# Altium PCB as_x31.PcbDoc (part 3 of 6) (continued)
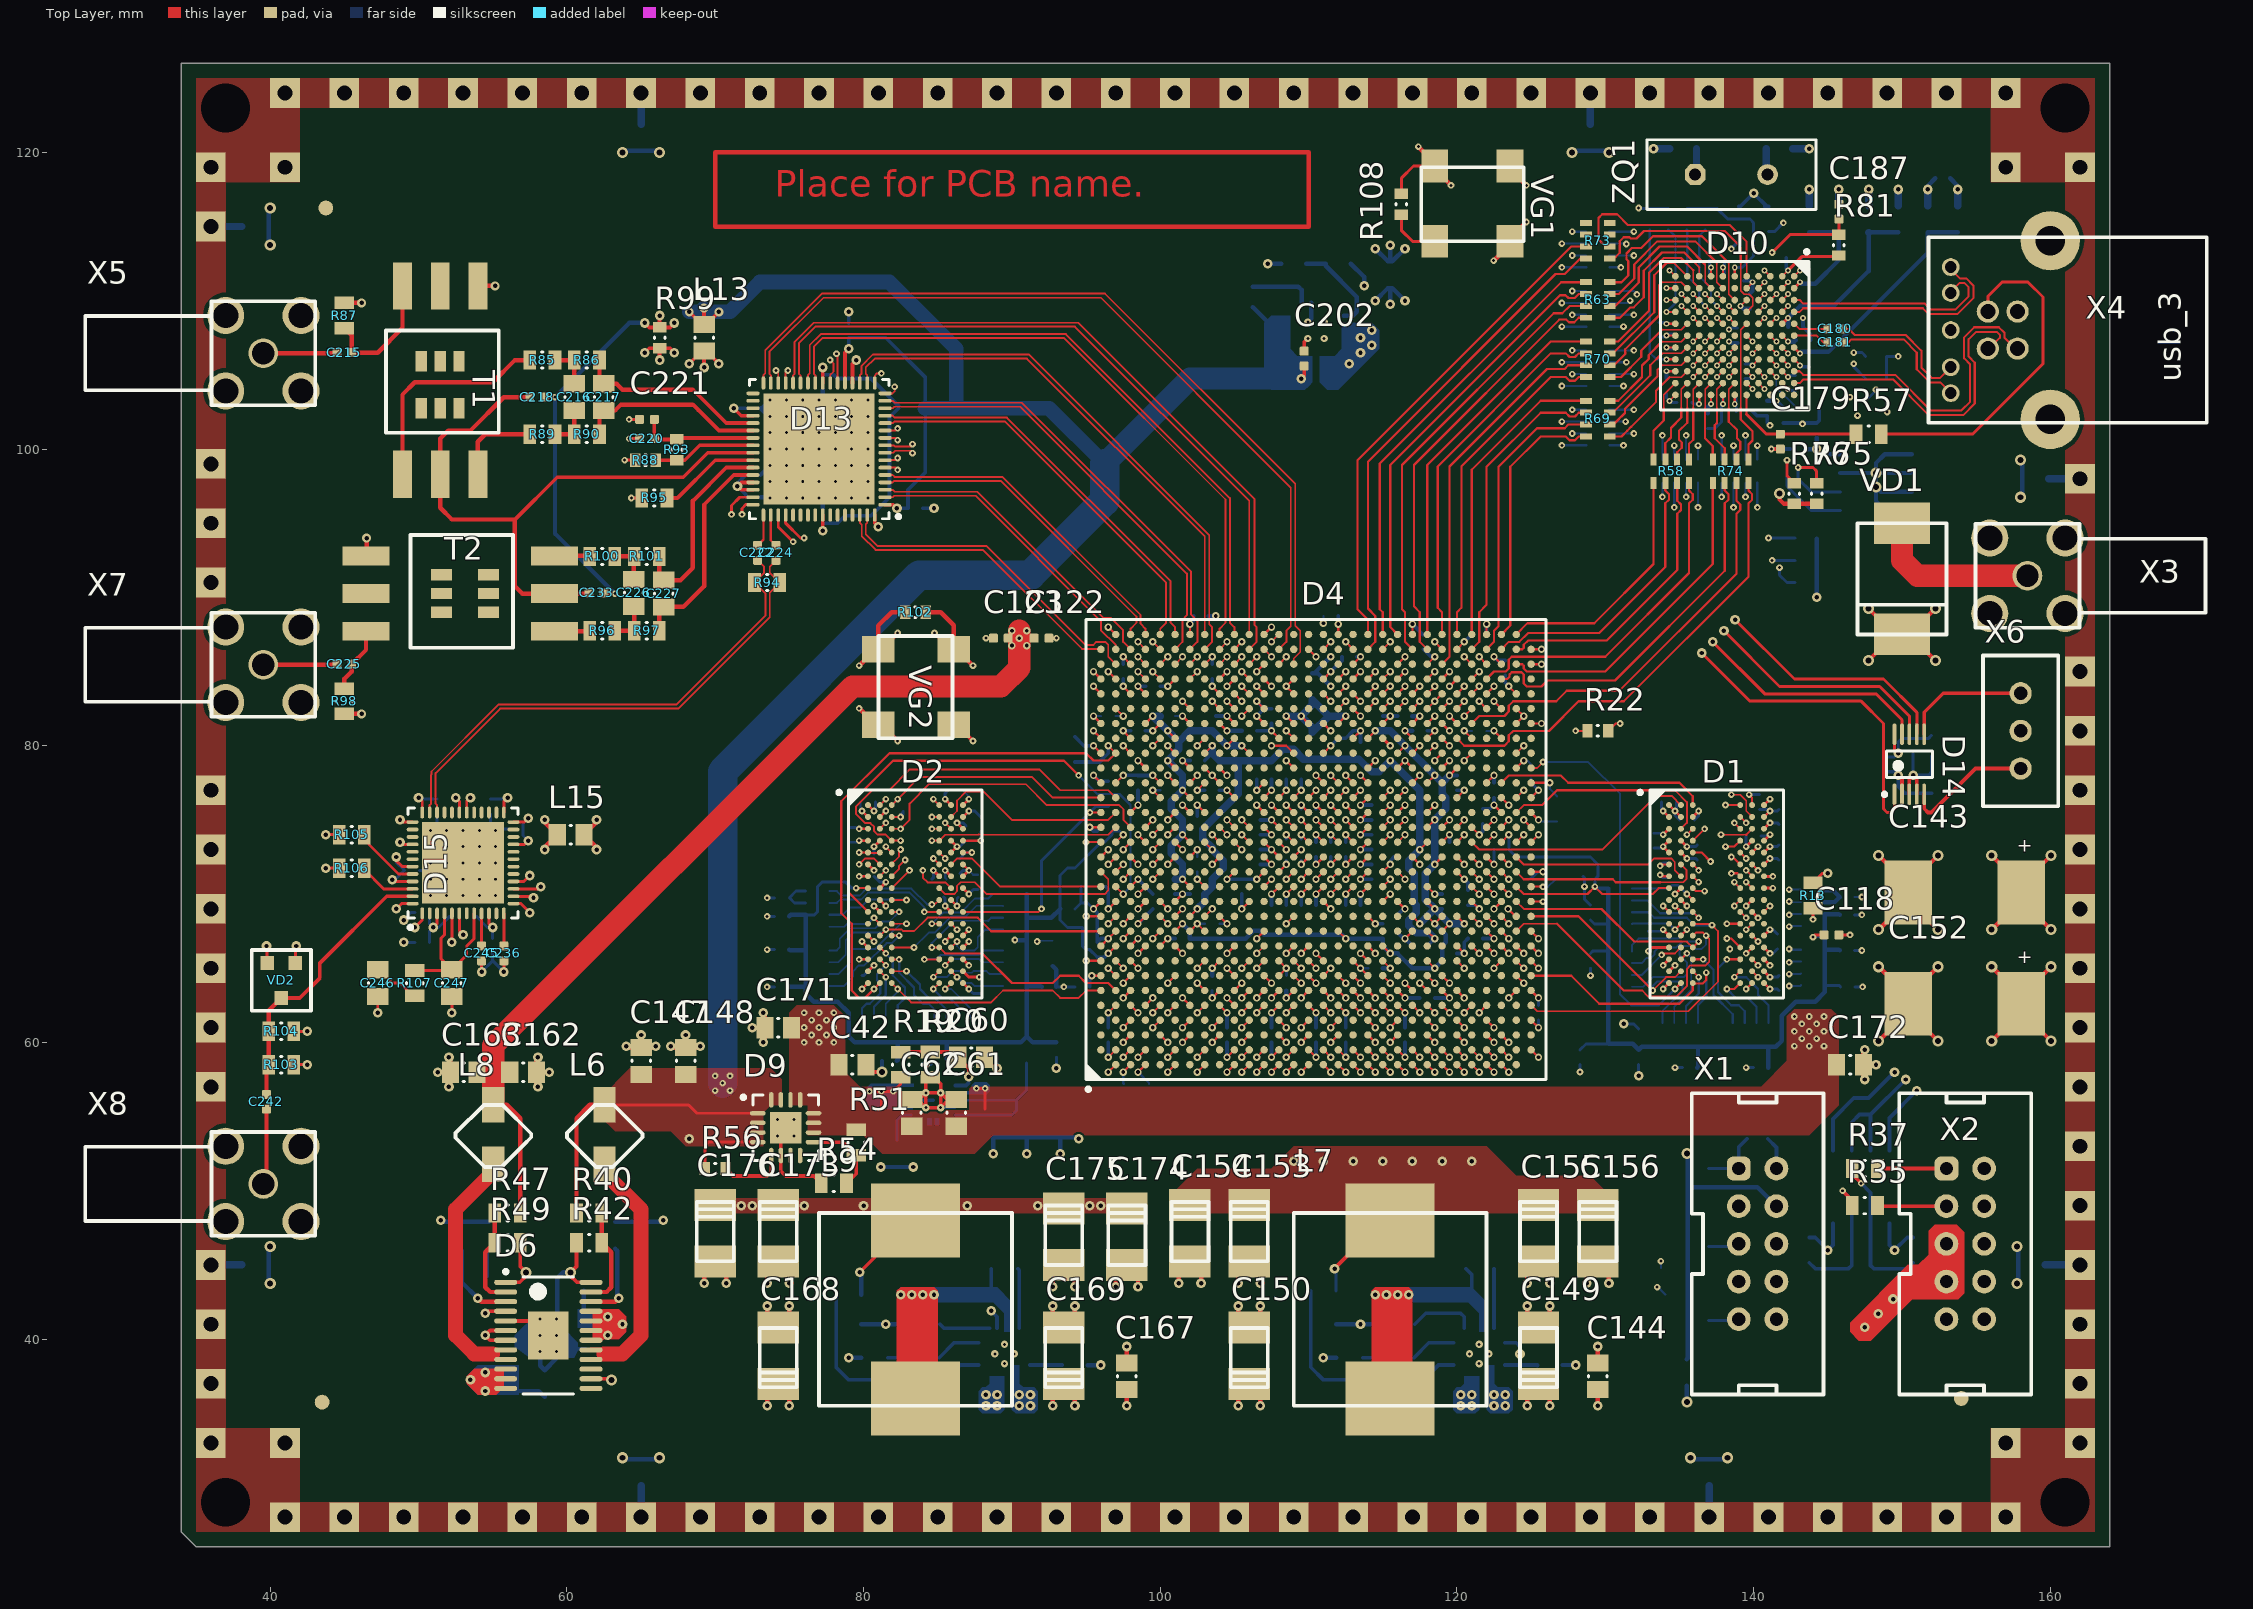
[diagram p0: Top Layer view]
## Nets (pads, with @x,y where several pads share a name; then routed paths per layer and width w, separated by ;. In a path a pad name is that pad's centre, name@x,y a point inside that pad or via, vN(x,y) a via of type N, cw(c..) or ccw(c..) an arc to the next point about the centre after c; other vN are vias at no path point) (continued)
  Bottom Layer w0.15: C32.1@79.1,73.5 79.6,73.5 v2(79.7,73.6) ; C33.1@79.8,76.2 79.8,75.7 v2(79.9,75.6) ; v2(85.5,71.6) 85.5,71.1 C37.1@85.6,71 ; v2(86.3,69.2) 86.3,69.7 C36.1@86.4,69.8 ; v2(86.3,73.2) 86.5,73.2 C38.1@86.9,73.6 ; C249.1@86.7,77 87.1,76.6 v2(87.1,76.4) ; v2(87.1,71.6) 87.4,71.3 C35.1@87.7,71.3 ; v1(95.5,82) C136.1@96,82 ; v1(98.5,58) 99.25,57.25 R39.2@99.25,57.2 ; v1(99.5,77) C131.1@100,77 ; C139.1@101,82 v1(101.5,82) ; C137.1@104,68 v1(104.5,68) ; v1(111,88.25) C101.1@111,88.75 ; v1(124.5,79) 124.75,79 C252.1@125,78.75 ; v1(126.25,77.5) 126.25,77.1 R15.1@126.75,76.6 ; C49.1@132.9,67.5 133.8,67.5 v2(133.9,67.6) ; C1.1@146.8,69.8 v2(147.3,69.8) ; v2(82.5,75.2) 82.7,75.4 C31.1@82.7,75.6 82.5,75.4 v2(82.5,75.2) ; C135.1@102.5,72.5 v1(102.5,73) C135.1@102.5,72.5 ; v1(120.5,81) C116.1@121,81 v1(120.5,81)
  Bottom Layer w0.2: v3(49,66.75) C243.1@49.75,66.75 ; v3(49,68.25) 49.5,68.75 C244.1@49.75,68.75 ; C239.1@50.05,71.6 C239.1@50.2,71.6 ; v4(50.8,71) C239.1@50.2,71.6 ; v4(50.8,72.1) 50.3,71.6 C239.1@50.2,71.6 ; v4(50.8,74.3) 51.25,74.75 C238.1@51.25,75.4 ; v3(54.25,64.75) 55,65.5 ; C237.1@54.85,75.4 54.85,74.65 v4(55.2,74.3) 55.3,74.4 C241.1@56.05,74.4 ; C240.1@55,66 55,65.5 ; v3(55.75,64.75) 55,65.5 ; v2(73.5,63.75) C17.1@74,63.75 ; v2(73.5,66.25) C6.2@74,66.25 ; v2(73.5,68.5) C4.2@74,68.5 ; v2(73.5,69.75) C2.1@74,69.75 ; v2(84.25,58.5) 84.5,58.5 C10.2@84.75,58.75 ; v4(85.2,55.6) D3.4@86.175,55.6 ; C53.1@86.5,71.4 86.7,71.6 v2(87.1,71.6) ; v2(87.1,63.6) 87.4,63.3 C59.1@87.9,63.3 ; v2(87.1,75.6) 87.5,75.6 C54.1@87.9,75.2 ; v3(89,58.25) C22.1@89,59 ; v3(93,58.25) C18.1@93,59 ; C12.2@93,63.75 v2(93.5,63.75) C138.1@94.25,63.75 ; C14.2@94.25,69 94.65,69.4 ; R23.2@94.65,70.5 94.65,69.4 ; v1(95.5,69) 95.1,69.4 94.65,69.4 ; v1(103.5,63) C71.1@103.5,63.5 ; C70.1@108.5,64.5 v1(108.5,65) ; v1(113.5,65) C74.1@114,65 ; v1(122.5,72) C19.1@122.5,73 ; R24.2@124.95,71 125.45,71.5 v1(125.8,71.5) ; C114.1@125.5,62.5 v1(125.5,63) ; v2(128.3,58) C15.1@128.3,58.5 ; C11.2@128.5,71.2 128.6,71.1 v2(128.6,70.5) 128.6,69.65 C119.1@129,69.25 ; v2(129,64.5) C13.2@129,65 ; v3(132.25,57.75) C20.1@132.25,58.5 ; v2(132.25,116.25) 132.3,116.2 R80.2@133,116.2 R79.2@134.25,116.2 ; C29.1@133.3,73.1 133.8,73.1 v2(133.9,73.2) ; C192.1@133.629,107.546 134.029,107.546 v5(134.129,107.646) 134.229,107.746 C200.1@134.629,107.746 ; v2(133.7,71.3) 133.9,71.1 C23.1@134.3,71.1 ; C248.1@133.8,76.2 133.8,75.7 v2(133.9,75.6) ; C204.1@134.129,103.746 134.129,103.446 v5(134.329,103.246) 134.429,103.146 C198.1@134.829,103.146 ; v2(134.7,58.3) C9.2@135.2,58.3 ; v2(135.5,72.4) 136.1,72.4 C28.1@136.2,72.3 ; C47.1@136,75 136.3,75.3 v2(136.3,75.6) ; C207.1@136.9,101.4 137.4,101.4 137.829,101.829 C194.1@137.829,102.546 137.829,102.946 v5(137.929,103.046) 137.929,103.446 C199.1@137.829,103.546 ; C201.1@138.029,111.746 138.029,112.146 v5(137.929,112.246) 138.029,112.346 C193.1@138.029,112.746 ; v5(138.329,108.046) 138.429,108.146 C203.1@138.929,108.146 ; C196.1@139.429,105.746 139.829,105.746 v5(139.929,105.646) ; v2(139.5,58.3) C7.2@140,58.3 ; v2(139.5,73.2) C26.1@139.5,73.9 ; C30.1@140.4,75.7 141,75.7 v2(141.1,75.6) 141.6,75.6 C27.1@141.7,75.7 ; v2(141.1,63.6) 141.6,63.6 C51.1@141.7,63.5 ; v2(141.1,67.6) 141.3,67.6 C50.1@141.6,67.3 ; v2(141.1,72.4) 141.6,72.4 C25.1@141.7,72.3 ; v5(142.329,104.846) 142.429,104.946 C197.1@142.829,104.946 ; C5.2@146.8,66.2 v2(147.3,66.2) ; C3.2@146.8,68.6 v2(147.3,68.6) ; C16.1@146.85,63.75 v2(147.35,63.75) ; R61.1@148.95,104.75 R59.1@148.95,106.25 v2(149.75,106.25) ; C223.1@149,79.25 149.5,79.25 v3(149.75,79.5) 149.75,80.25 150,80.5 151.8,80.5 R92.2@152,80.7
  Bottom Layer w0.25: C160.1@56.25,39.9 57.85,39.9 v4(58.2,40.25) ; v4(59.3,39.15) 59.5,39.35 C159.1@61.25,39.35 ; C235.1@79,108.5 v3(79,109.25) ; v6(81.25,58) C8.2@81.25,58.75 ; D3.8@83.225,56.1 D3.11@84.7,56.1 ; C234.1@84,96 v3(84.75,96) ; v1(95.25,74.5) 95.5,74.25 C120.1@95.75,74.25 ; v1(95.5,69) 95.75,68.75 C121.1@95.75,67.75 C21.1@95.75,66.75 96,67 v1(96.5,67) ; v1(95.5,78) 95.9,77.6 R16.1@96.5,77.6 ; v1(96.5,59) C124.1@96.5,60 ; v1(97.5,78) C125.1@98.5,78 v1(99.5,78) ; v1(97.5,81) C126.1@98,81 ; v1(97.5,84) C142.1@97.5,84.5 ; v1(98.5,71) C127.1@99.5,70 ; v1(98.5,84) C141.1@99,84 ; v1(100.5,67) C95.1@101,67 ; C103.1@101,70 v1(101.5,70) C82.1@102,70 ; v1(101.5,79) C86.1@102,79 ; C132.1@102.5,75.25 v1(102.5,76) ; v1(102.5,77) C130.1@103,77 ; C100.1@103.25,88.75 v1(103.75,88.75) ; C140.1@103.5,85.5 v1(103.5,86) ; C133.1@103.75,82 v1(104.5,82) ; v1(104.5,59) C63.1@104.5,60 ; v1(104.5,71) C129.1@105.5,71 ; C129.1@105.5,71 v1(106.5,71) ; v1(106.5,77) C65.1@106.5,77.75 ; C73.1@106.5,81 v1(107.5,81) C99.1@107.5,81.5 ; C78.1@106.75,73 v1(107.5,73) ; C89.1@106.75,75 v1(107.5,75) ; v1(107.5,59) C75.1@107.5,60 ; C66.1@107.5,69.25 v1(107.5,70) ; C91.1@108.5,73.75 v1(108.5,74) ; v1(108.5,77) C77.1@108.5,77.75 ; C67.1@109.5,69.25 v1(109.5,70) ; v1(109.5,72) C92.1@109.5,72.25 ; v4(109.95,108.55) D12.17@110.175,108.775 ; v1(110.5,59) C64.1@110.5,60 ; C69.1@110.5,73.5 v1(110.5,74) ; C79.1@110.5,75.75 v1(110.5,76) ; v1(111.5,72) C81.1@111.5,72.5 ; v1(111.5,80) 112,80.5 C98.1@112.5,80.5 113,81 v1(113.5,81) ; v1(112.5,59) C94.1@112.5,60 ; C87.1@112.5,73.5 v1(112.5,74) ; C134.1@113.25,86 v1(113.5,86) ; C68.1@113.5,69.25 v1(113.5,70) ; v1(113.5,72) C80.1@114.25,72 ; v1(113.5,74) C88.1@114.25,74 ; v1(113.5,76) C90.1@114.25,76 ; C85.1@113.5,80.25 v1(113.5,81) ; v1(114.5,68) C110.1@115,68 ; C105.1@115,82 v1(115.5,82) C96.1@116,82 ; v1(115.5,72) 115.5,72.25 C84.1@115.75,72.5 ; C250.1@115.9,67.5 116.4,67 v1(116.5,67) C83.1@117,66.5 ; v1(116.5,59) C76.1@116.5,60 ; v1(116.5,63) C93.1@117.5,63 ; v1(117,88.2) 117.7,87.5 C97.1@117.75,87.5 ; C72.1@118,81 v1(118.5,81) ; v1(118.5,70) C108.1@119,70 ; C107.1@119.5,73.5 v1(119.5,74) ; C109.1@120,66 v1(120.5,66) 120.5,66.75 C113.1@120.75,67 ; C106.1@120,77 v1(120.5,77) ; v1(120.5,87) C104.1@121,87.5 ; C111.1@120.75,69.25 121.25,69.25 v1(121.5,69) ; C112.1@121.75,75.75 122.25,75.75 v1(122.5,76) C115.1@122.5,76.5 ; v1(122.5,86) 122.75,85.75 C117.1@123.25,85.75 ; R45.2@127.1,38.25 v3(128,38.25) ; R109.2@139,116.35 139.1,116.35 v3(140,117.25) 140.9,116.35 R68.2@141,116.35 ; C205.1@139.329,111.346 139.829,111.346 v5(139.929,111.246) 139.929,110.646 C206.1@139.729,110.446 ; C214.1@139.929,102.546 140.229,102.246 C211.1@140.929,102.246 140.929,101.771 v2(141.1,101.6) ; R33.1@140.95,53.5 141.54,52.91 X1.2@141.54,51.5 ; v2(141.2,100) C209.1@142.5,100 ; C210.1@142,101.75 143.25,101.75 v2(143.3,101.7) 143.35,101.75 C212.1@144.25,101.75 144.429,101.929 R60.2@144.429,102.846 ; v5(143.129,105.646) 143.229,105.546 C190.1@143.729,105.546 ; C208.1@143.2,112.9 143.129,112.829 v5(143.129,112.046) 143.229,112.146 C185.1@143.729,112.146 ; C188.1@143.329,108.246 143.829,107.746 C213.1@143.829,107.346 ; D5.5@149.155,47.8 149.155,46.345 v3(149.5,46) 150.35,46.85 R38.1@150.75,46.85
  Bottom Layer w0.3: v6(40,43.75) 39.9,43.85 L23.1@39.9,45 39.9,46.15 v6(40,46.25) ; v6(40,113.75) 39.9,113.85 L24.1@39.9,115 39.9,116.15 v6(40,116.25) ; v3(51.5,48) 51.6,47.9 C165.1@52.75,47.9 C164.1@54.75,47.9 ; v4(58.2,39.15) 58.2,38.2 C145.1@58.5,37.9 59.3,38.7 v4(59.3,39.15) ; v4(59.3,41.35) 59.35,41.4 C146.1@59.35,43.25 59.35,44.1 59.75,44.5 v6(60.25,44.5) ; C158.1@63.25,47.9 C157.1@65.25,47.9 66.4,47.9 v3(66.5,48) ; v2(63.25,90.25) 59.2,94.3 v2(59.2,103.5) 64.2,108.5 v3(65.25,108.5) ; v6(63.75,32) 63.85,31.9 L22.1@65,31.9 66.15,31.9 v6(66.25,32) ; v6(63.75,120) 63.85,120.1 L17.1@65,120.1 66.15,120.1 v6(66.25,120) ; v3(79,38.75) C178.1@79.85,38.75 ; R52.1@79.85,41 v3(81.5,41) C177.1@83.35,41 ; v3(81.15,51.6) C43.1@82.25,51.6 v3(83.35,51.6) ; v3(88.75,52.5) C39.1@88.75,53.6 C40.1@91,53.6 ; v3(91,52.5) C40.1@91,53.6 ; R14.2@92.75,65.15 93,64.9 C12.2@93,63.75 ; v3(93.25,52.5) C41.1@93.25,53.6 ; v3(94.5,53.5) 94.4,53.6 C41.1@93.25,53.6 ; R53.2@95.1,38.25 v3(96,38.25) ; v3(107.25,112.5) R83.1@108.15,112.5 ; D12.17@110.175,108.775 D12.6@110.175,109.875 ; v3(111,38.75) C166.1@111.85,38.75 ; R44.1@111.85,41 v3(113.5,41) ; v3(113.5,41) C161.1@115.35,41 ; v3(114.5,113.5) 115.35,112.65 C184.1@115.5,112.65 ; v3(115.5,113.75) C184.1@115.5,112.65 ; v3(116.5,113.5) 115.65,112.65 C184.1@115.5,112.65 ; v6(127.75,120) 127.85,120.1 L18.1@129,120.1 130.15,120.1 v6(130.25,120) ; v6(135.75,32) 135.85,31.9 L21.1@137,31.9 138.15,31.9 v6(138.25,32) ; C188.1@143.329,108.246 v5(143.329,108.846) ; D11.7@145.85,98.385 v6(148.25,98.385) ; D11.4@150.65,95.845 148.905,95.845 148.25,96.5 v6(148.25,97.443) ; D11.3@150.65,97.115 148.578,97.115 v6(148.25,97.443) ; D11.2@150.65,98.385 v6(148.25,98.385) ; D11.1@150.65,99.655 148.845,99.655 148.25,99.06 v6(148.25,98.385) ; C195.1@153.25,118.25 153.75,117.75 v3(153.75,117.5) ; v6(157.75,43.75) 157.85,43.85 L20.1@157.85,45 157.85,46.15 v6(157.75,46.25) ; v6(158,96.75) 158.1,96.85 L19.1@158.1,98 158.1,99.15 v6(158,99.25) ; C40.1@91,53.6 C41.1@93.25,53.6 ; v6(148.25,97.443) v6(148.25,98.385)
  Bottom Layer w0.5: v3(133.25,120.25) C182.1@134.35,120.25 ; C183.1@142.65,120.25 v3(143.75,120.25) ; C186.1@145.75,116.4 v3(145.75,117.5) ; C189.1@149.75,116.4 v3(149.75,117.5) ; C191.1@153.75,116.4 v3(153.75,117.5)
  other v2: 79.7,71.2
  other v3: 90.5,35.5 91.25,35.5 122.5,35.5 123.25,35.5 90.5,36.25 91.25,36.25 122.5,36.25 123.25,36.25
  other v4: 89.5,38.35 121.5,38.35 88.85,39 90.15,39 120.85,39 122.15,39 89.5,39.65 121.5,39.65 59.3,40.25 58.2,41.35 74.2,53.7 75.3,53.7 74.2,54.8 75.3,54.8 50.8,69.9 51.9,69.9 53,69.9 54.1,69.9 55.2,69.9 51.9,71 53,71 54.1,71 55.2,71 51.9,72.1 53,72.1 54.1,72.1 55.2,72.1 50.8,73.2 51.9,73.2 53,73.2 54.1,73.2 55.2,73.2 51.9,74.3 53,74.3 54.1,74.3 111.05,107.45 111.05,108.55
0VA: C220.2 C221.2 C228.1 C229.1 C230.1 C231.1 C232.1 D13.65 R87.1 R88.1 R95.2 R98.1 R99.2 T1.6 T2.6 X5.2 X7.2 | length 15.8
  Top Layer w0.2: v2(63.9,99.25) R88.1@64.6,99.25 R88.1@64.65,99.2 ; v2(64.2,100.7) C220.2@64.9,100.7 ; v2(64.2,102) C221.2@64.9,102 ; v2(64.35,96.7) R95.2@65.05,96.7 R95.2@65.1,96.65
  Top Layer w0.25: v3(65.25,106.5) 65.55,106.8 R99.2@66.25,106.8 ; v3(66.25,106) R99.2@66.25,106.8 ; v3(67.25,106.5) 66.95,106.8 R99.2@66.25,106.8
  Top Layer w0.3: R98.1@44.96,82.19 R98.1@45,82.15 v7(46.16,82.15) ; R87.1@44.96,109.89 R87.1@45,109.85 v7(46.16,109.85) ; T2.6@46.46,92.8 46.5,92.84 v7(46.5,94) ; T1.6@53.96,111.04 T1.6@54,111 v7(55.16,111)
  Bottom Layer w0.3: C232.1@73.05,96.75 73.65,96.75 v4(73.7,96.7) ; C231.1@73.05,98.25 v4(73.7,98.9) ; v4(73.7,102.2) 73.6,102.2 C230.1@73.05,102.75 73.15,102.75 v4(73.7,103.3) ; v4(77,96.7) 77.25,96.45 C229.1@77.25,96 ; v4(77,103.3) 77.25,103.55 C228.1@77.25,104
  other v4: 74.8,96.7 75.9,96.7 78.1,96.7 79.2,96.7 80.3,96.7 73.7,97.8 74.8,97.8 75.9,97.8 77,97.8 78.1,97.8 79.2,97.8 80.3,97.8 74.8,98.9 75.9,98.9 77,98.9 78.1,98.9 79.2,98.9 80.3,98.9 73.7,100 74.8,100 75.9,100 77,100 78.1,100 79.2,100 80.3,100 73.7,101.1 74.8,101.1 75.9,101.1 77,101.1 78.1,101.1 79.2,101.1 80.3,101.1 74.8,102.2 75.9,102.2 77,102.2 78.1,102.2 79.2,102.2 80.3,102.2 74.8,103.3 75.9,103.3 78.1,103.3 79.2,103.3 80.3,103.3
12V: C143.1 C144.1 C149.1 C150.1 C152.1 C167.1 C168.1 C169.1 D7.4 D7.5 D7.6 D8.4 D8.5 D8.6 VD1.1 | length 53.9
  Top Layer w0.3: v3(73.5,35.5) 73.5,36.21 C168.1@74.25,36.96 75,36.21 v3(75,35.5) ; v3(92.75,35.5) 92.75,36.21 C169.1@93.5,36.96 94.25,36.21 v3(94.25,35.5) ; v3(97.75,35.5) C167.1@97.75,36.6 ; v3(105.25,35.5) 105.25,36.21 C150.1@106,36.96 106.75,36.21 v3(106.75,35.5) ; v3(124.75,35.5) 124.75,36.21 C149.1@125.5,36.96 126.25,36.21 v3(126.25,35.5) ; v3(129.5,35.5) C144.1@129.5,36.6 ; v6(147.75,85.75) VD1.1@149.5,87.5 ; v6(147.75,89.25) VD1.1@149.5,87.5 ; v6(152.25,85.75) VD1.1@150.5,87.5 ; v6(152.25,89.25) VD1.1@150.5,87.5 ; v6(156.05,60.1) C152.1@158.05,62.1 ; v6(156.05,65.1) C152.1@158.05,63.1 ; v6(156.05,67.6) C143.1@158.05,69.6 ; v6(156.05,72.6) C143.1@158.05,70.6 ; v6(160.05,60.1) C152.1@158.05,62.1 ; v6(160.05,65.1) C152.1@158.05,63.1 ; v6(160.05,67.6) C143.1@158.05,69.6 ; v6(160.05,72.6) C143.1@158.05,70.6 ; VD1.1@149.5,87.5 VD1.1@150,87.5 VD1.1@150.5,87.5 ; C152.1@158.05,62.1 C152.1@158.05,62.6 ; C152.1@158.05,62.1 C152.1@158.05,62.6 ; C152.1@158.05,62.6 C152.1@158.05,63.1 ; C152.1@158.05,62.6 C152.1@158.05,63.1 ; C143.1@158.05,69.6 C143.1@158.05,70.1 ; C143.1@158.05,69.6 C143.1@158.05,70.1 ; C143.1@158.05,70.1 C143.1@158.05,70.6 ; C143.1@158.05,70.1 C143.1@158.05,70.6
  other v3: 88.25,35.5 89,35.5 120.25,35.5 121,35.5 88.25,36.25 89,36.25 120.25,36.25 121,36.25
A_485: R37.2 X2.1 | length 4.7
  Top Layer w0.25: R37.2@148.35,51.5 X2.1@153,51.5
AD97_CS: D4.J27 D15.14 | length 55.2
  Top Layer w0.15: D4.J27@104,84.5 v1(104.5,85)
  Top Layer w0.2: D15.14@56.4,69.85 57.65,69.85 v3(57.75,69.75)
  int_1 w0.15: 94.5,84.5 104,84.5 v1(104.5,85)
  int_1 w0.2: v3(57.75,69.75) 60.5,69.75 75.25,84.5 94.5,84.5
AD5322_DIN: D4.V25 D14.9 | length 43.8
  Top Layer w0.15: D4.V25@113,82.5 v1(113.5,82)
  Top Layer w0.2: v3(137.25,87) 140.75,83.5 148.25,83.5 150,81.75 D14.9@150,80.775
  int_2 w0.2: v1(113.5,82) 114,82.5 114,83.25 114.25,83.5 114.672,83.5 115,83.828 115,85.5 116,86.5 123,86.5 123.5,87 v3(137.25,87)
AD5322_LDAC: D4.T24 D14.1 | length 51.1
  Top Layer w0.15: D4.T24@111,81.5 v1(111.5,81)
  Top Layer w0.2: v3(136.5,86.25) 139.75,83 147.25,83 148.75,81.5 148.75,75.75 149,75.5 149.25,75.5 149.5,75.75 D14.1@149.5,76.725
  int_2 w0.2: v1(111.5,81) 112.025,81.525 113.697,81.525 114.025,81.525 115,82.5 115,83.25 115.25,83.5 115.75,83.5 116,83.75 116,85.172 116.328,85.5 123,85.5 123.5,86 126.5,86 126.75,86.25 v3(136.5,86.25)
AD5322_SCLK: D4.V26 D14.8 | length 45
  Top Layer w0.15: D4.V26@113,83.5 v1(113.5,83)
  Top Layer w0.2: v3(138,87.75) 141.75,84 148.5,84 150.5,82 D14.8@150.5,80.775
  int_2 w0.2: v1(113.5,83) 113.5,84 114,84.5 114,86.5 115,87.5 123,87.5 123.25,87.75 v3(138,87.75)
AD5322_SYNC: D4.U26 D14.7 | length 46.5
  Top Layer w0.15: D4.U26@112,83.5 v1(112.5,84)
  Top Layer w0.2: v3(138.75,88.5) 142.75,84.5 148.75,84.5 151,82.25 D14.7@151,80.775
  int_2 w0.2: v1(112.5,84) 113,84.5 113,86.5 115.175,88.675 138.575,88.675 v3(138.75,88.5)
AD9517_EXT_CLK: C242.2 D15.47 R103.1 R104.2 VD2.1 | length 19.2
  Top Layer w0.25: VD2.1@40.75,63 42,63 43.35,64.35 43.35,65.35 47.85,69.85 D15.47@49.6,69.85
  Top Layer w0.3: C242.2@39.75,56.5 39.75,58.1 39.9,58.25 39.9,60.25 39.9,62.15 VD2.1@40.75,63
AD9517_FPGA_CLK: D4.P22 D15.48 VG2.3 | length 74.4
  Top Layer w0.15: v1(107.5,80) 108.5,80 D4.P22@109,79.5
  Top Layer w0.2: v3(48.5,69) 48.85,69.35 D15.48@49.6,69.35
  Top Layer w0.3: VG2.3@86.08,81.42 86.28,81.42 v2(87.38,80.32)
  int_1 w0.2: v3(48.5,69) 48,68.5 48,66.75 49.25,65.5 60.25,65.5 75.25,80.5 81,80.5 81.75,81.25 86.45,81.25 v2(87.38,80.32) 87.56,80.5 107,80.5 v1(107.5,80)
AD9517_REF_SEL: D4.K25 D15.6 | length 61.5
  Top Layer w0.15: v1(104.5,83) D4.K25@105,82.5
  Top Layer w0.2: D15.6@52.75,68.7 52.75,67.5 v3(53,67.25)
  int_2 w0.15: 94.5,83.5 101.8,83.5 102.8,82.5 104,82.5 v1(104.5,83)
  int_2 w0.2: v3(53,67.25) 53.5,66.75 60.25,66.75 77,83.5 94.5,83.5
AD9517_REFMON: D4.L25 D15.1 | length 67.1
  Top Layer w0.15: v1(105.5,82) D4.L25@106,82.5
  Top Layer w0.2: v3(49.75,67.75) 50.25,68.25 D15.1@50.25,68.7
  int_2 w0.15: 94.5,83 100.5,83 101,82.5 101.9,82.5 102.9,81.5 105,81.5 v1(105.5,82)
  int_2 w0.2: v3(49.75,67.75) 49.75,67 51.25,65.5 60.25,65.5 76.25,81.5 80,81.5 81.5,83 94.5,83
AD9517_SCLK: D4.K27 D15.13 | length 55.4
  Top Layer w0.15: v1(104.5,84) D4.K27@105,84.5
  Top Layer w0.2: D15.13@56.4,69.35 56.9,69.35 v3(57.5,68.75)
  int_1 w0.15: 94.5,83.5 104,83.5 v1(104.5,84)
  int_1 w0.2: v3(57.5,68.75) 60.75,68.75 75.5,83.5 94.5,83.5
AD9517_SDIO: D4.L26 D15.16 | length 57.1
  Top Layer w0.15: v1(105.5,84) D4.L26@106,83.5
  Top Layer w0.2: D15.16@56.4,70.85 57.1,70.85 v3(57.5,71.25)
  int_2 w0.15: 94.5,85.5 101,85.5 102,84.5 105,84.5 v1(105.5,84)
  int_2 w0.2: v3(57.5,71.25) 62.25,71.25 77.2,86.2 88.6,86.2 89.3,85.5 94.5,85.5
AD9517_SDO: D4.K26 D15.15 | length 56.3
  Top Layer w0.15: D4.K26@105,83.5 v1(105.5,83)
  Top Layer w0.2: D15.15@56.4,70.35 58.1,70.35 v3(58.25,70.5)
  int_2 w0.15: 94.5,84.5 101.4,84.5 102.4,83.5 105,83.5 v1(105.5,83)
  int_2 w0.2: v3(58.25,70.5) 62.75,70.5 76.75,84.5 94.5,84.5
AD9517_STATUS: D4.J25 D15.5 | length 60.8
  Top Layer w0.15: v1(103.5,83) D4.J25@104,82.5
  Top Layer w0.2: v3(52.25,66.75) D15.5@52.25,68.7
  int_1 w0.15: 94.5,82.5 103,82.5 v1(103.5,83)
  int_1 w0.2: v3(52.25,66.75) 52.5,66.5 59.75,66.5 74.75,81.5 80.75,81.5 81.75,82.5 94.5,82.5
ADC_CLK_N: C224.1 D15.34 R94.1 | length 34.1
  Top Layer w0.125: D15.34@51.25,75.5 51.25,76 51.15,76.1 51.15,78.15 55.5,82.5 67.5,82.5 73.675,88.675 73.675,90.325 R94.1@74.35,91 73.675,91.675 73.675,92.075 C224.1@74.1,92.5
ADC_CLK_P: C222.1 D15.35 R94.2 | length 34.2
  Top Layer w0.125: D15.35@50.75,75.5 50.75,76 50.85,76.1 50.85,78.027 50.875,78.052 50.875,78.264 55.386,82.775 67.386,82.775 73.4,88.789 73.4,90.25 R94.2@72.65,91 73.3,91.65 73.3,92.05 C222.1@72.85,92.5
ADC_CML: C218.1 C233.1 D13.41 T1.2 T2.2 | length 44.9
  Top Layer w0.25: 56.5,95.25 59.35,98.1 67.85,98.1 69.5,99.75 D13.41@72.55,99.75
  Top Layer w0.3: C218.1@57.5,103.5 55.75,103.5 53.5,101.25 52,101.25 51.46,100.71 T1.2@51.46,98.3 51.46,96.04 52.25,95.25 56.5,95.25 56.5,90.75 56.99,90.26 T2.2@59.16,90.26 61.46,90.26 C233.1@61.5,90.3
ADC_CSB: D4.M28 D13.51 | length 41.6
  Top Layer w0.15: v1(106.5,85) D4.M28@107,85.5
  Top Layer w0.2: D13.51@74.25,95.55 74.25,94.75 v2(75.25,93.75) v2@75.3,93.7
  int_2 w0.2: v2(75.25,93.75) 75.75,93.25 103.95,93.25 107,90.2 107,85.5 v1(106.5,85)
ADC_D0_N: D4.A29 D13.62 | length 20.8
  Top Layer w0.125: D13.62@79.75,95.55 79.75,95.03 79.875,94.905 79.875,94.136 80.811,93.2 88.05,93.2 94.725,86.525 95.975,86.525 D4.A29@96,86.5
ADC_D0_P: D4.B28 D13.63 | length 22.5
  Top Layer w0.125: D13.63@80.25,95.55 80.25,95.03 80.15,94.93 80.15,94.25 80.925,93.475 88.275,93.475 94.95,86.8 95.5,86.8 95.7,87 96.3,87 96.5,86.8 96.5,86 D4.B28@97,85.5
ADC_D1_N: D4.B29 D13.2 | length 20.4
  Top Layer w0.125: D13.2@81.45,96.75 81.97,96.75 82.07,96.85 87.55,96.85 96,88.4 96,87.8 97,86.8 D4.B29@97,86.5
ADC_D1_P: D4.C29 D13.3 | length 21.5
  Top Layer w0.125: D13.3@81.45,97.25 81.97,97.25 82.095,97.125 87.664,97.125 96.189,88.6 96.7,88.6 97.5,87.8 97.5,87 D4.C29@98,86.5
ADC_D2_N: D4.C30 D13.4 | length 22.1
  Top Layer w0.125: D13.4@81.45,97.75 81.97,97.75 82.07,97.85 89.25,97.85 98.4,88.7 98.4,88.3 98,87.9 D4.C30@98,87.5
ADC_D2_P: D4.D30 D13.5 | length 22.6
  Top Layer w0.125: D13.5@81.45,98.25 81.97,98.25 82.095,98.125 89.364,98.125 98.675,88.814 98.675,88.225 99,87.9 D4.D30@99,87.5
ADC_D3_N: D4.D29 D13.6 | length 25.1
  Top Layer w0.125: D13.6@81.45,98.75 82.15,98.75 v2(82.3,98.6) ; v1(98.5,87) D4.D29@99,86.5
  int_1 w0.13: v2(82.3,98.6) 82.635,98.935 90.265,98.935 98.5,90.7 v1(98.5,87)
ADC_D3_P: D4.D28 D13.7 | length 26.8
  Top Layer w0.125: D13.7@81.45,99.25 82.15,99.25 v2(82.3,99.4) ; v1(98.5,86) D4.D28@99,85.5
  int_1 w0.13: v2(82.3,99.4) 82.502,99.198 82.519,99.215 90.381,99.215 98.8,90.796 98.8,87.7 99,87.5 99,86.5 v1(98.5,86)
ADC_D4_N: D4.D27 D13.8 | length 29.9
  Top Layer w0.125: D13.8@81.45,99.75 82,99.75 82.137,99.887 83.137,99.887 v2(83.3,99.725) ; v1(98.5,85) D4.D27@99,84.5
  int_1 w0.13: v2(83.3,99.725) 83.322,99.725 83.557,99.96 91.24,99.96 99.7,91.5 99.7,87.422 99.94,87.182 99.94,86.44 v1(98.5,85)
ADC_D4_P: D4.E27 D13.9 | length 30
  Top Layer w0.125: D13.9@81.45,100.25 82.031,100.25 82.119,100.162 83.138,100.162 v2(83.3,100.325) ; v1(99.5,85) D4.E27@100,84.5
  int_1 w0.13: v2(83.3,100.325) 83.413,100.212 83.441,100.24 91.356,100.24 99.98,91.616 99.98,87.503 100.195,87.288 100.195,86.334 99.98,86.119 99.98,85.48 v1(99.5,85)
ADC_D5_N: D4.E30 D13.12 | length 27.2
  Top Layer w0.125: D13.12@81.45,101.75 81.97,101.75 82.07,101.85 89.55,101.85 100.4,91 100.4,88.3 100,87.9 D4.E30@100,87.5
ADC_D5_P: D4.F30 D13.13 | length 27.6
  Top Layer w0.125: D13.13@81.45,102.25 81.97,102.25 82.095,102.125 89.664,102.125 100.7,91.089 100.7,88.3 101,88 D4.F30@101,87.5
ADC_D6_N: D4.F29 D13.14 | length 30.5
  Top Layer w0.125: D13.14@81.45,102.75 81.97,102.75 82.07,102.85 90.55,102.85 101.8,91.6 101.8,88.8 101.5,88.5 101.5,87 D4.F29@101,86.5
ADC_D6_P: D4.G29 D13.15 | length 31
  Top Layer w0.125: D13.15@81.45,103.25 81.97,103.25 82.095,103.125 90.664,103.125 102.075,91.714 102.075,88.825 102.5,88.4 102.5,87 D4.G29@102,86.5
ADC_D7_N: D4.G28 D13.16 | length 36.9
  Top Layer w0.125: D13.16@81.45,103.75 81.95,103.75 82.1,103.9 v2(82.1,104.2) ; D4.G28@102,85.5 v1(102.5,86)
  int_1 w0.13: v2(82.1,104.2) 82.1,105.008 83.192,106.1 91.3,106.1 102.5,94.9 v1(102.5,86)
ADC_D7_P: D4.G27 D13.17 | length 38.8
  Top Layer w0.125: D13.17@80.75,104.45 80.75,104.95 80.9,105.1 v2(81.2,105.1) ; D4.G27@102,84.5 v1(102.5,85)
  int_1 w0.13: v2(81.2,105.1) 81.82,105.1 81.82,105.124 83.076,106.38 91.416,106.38 102.94,94.856 102.94,85.818 102.5,85.378 v1(102.5,85)
ADC_D8_N: D4.H30 D13.18 | length 35.8
  Top Layer w0.125: D13.18@80.25,104.45 80.25,104.97 80.15,105.07 80.15,105.5 80.75,106.1 91.011,106.1 103,94.111 D4.H30@103,87.5
ADC_D8_P: D4.H29 D13.19 | length 38
  Top Layer w0.125: D13.19@79.75,104.45 79.75,104.97 79.85,105.07 79.85,105.589 80.636,106.375 91.125,106.375 103.3,94.2 103.3,88.2 103.5,88 103.5,87 D4.H29@103,86.5
ADC_D9_N: D4.J29 D13.22 | length 44.6
  Top Layer w0.125: v2(78.174,106.424) 78.25,106.349 78.25,105 D13.22@78.25,104.45 ; D4.J29@104,86.5 v1(104.5,87)
  int_1 w0.13: v2(78.174,106.424) 78.174,107.059 79.315,108.2 93,108.2 104.5,96.7 v1(104.5,87)
ADC_D9_P: D4.J28 D13.23 | length 47
  Top Layer w0.125: D13.23@77.75,104.45 77.75,105 77.975,105.225 77.975,105.775 v2(77.75,106) ; D4.J28@104,85.5 v1(104.5,86)
  int_1 w0.13: v2(77.75,106) 77.734,106.016 77.734,107.015 79.199,108.48 93.116,108.48 104.94,96.656 104.94,86.818 104.5,86.378 v1(104.5,86)
ADC_D10_N: D4.J30 D13.25 | length 44.2
  Top Layer w0.125: D13.25@76.75,104.45 76.75,104.97 76.65,105.07 76.65,106.9 77.225,107.475 93.525,107.475 104.4,96.6 104.4,88.3 104,87.9 D4.J30@104,87.5
ADC_D10_P: D4.K30 D13.26 | length 45.1
  Top Layer w0.125: D13.26@76.25,104.45 76.25,104.97 76.375,105.095 76.375,107.014 77.111,107.75 93.639,107.75 104.7,96.689 104.7,88.3 105,88 D4.K30@105,87.5
ADC_D11_N: D4.L30 D13.27 | length 47.4
  Top Layer w0.125: D13.27@75.75,104.45 75.75,104.97 75.64,105.08 75.64,107.14 76.75,108.25 94.25,108.25 106,96.5 106,88 D4.L30@106,87.5
ADC_D11_P: D4.L29 D13.28 | length 49.7
  Top Layer w0.125: D13.28@75.25,104.45 75.25,104.97 75.338,105.058 75.338,107.212 76.64,108.515 94.485,108.515 106.353,96.647 106.353,88.147 106.5,88 106.5,87 D4.L29@106,86.5
ADC_D12_N: D4.N30 D13.29 | length 54
  Top Layer w0.125: D13.29@74.75,104.45 74.75,105.15 v2(74.9,105.3) ; v1(107.5,87) D4.N30@108,87.5
  int_1 w0.13: v2(74.9,105.3) 74.698,105.502 74.715,105.519 74.715,107.3 77.385,109.97 95.73,109.97 107.5,98.2 107.5,88.622 107.06,88.182 107.06,87.818 107.5,87.378 v1(107.5,87)
ADC_D12_P: D4.M29 D13.30 | length 55.9
  Top Layer w0.125: v2(74.1,105.3) 74.25,105.15 D13.30@74.25,104.45 ; D4.M29@107,86.5 v1(107.5,86)
  int_1 w0.13: v2(74.1,105.3) 74.435,105.635 74.435,107.416 77.269,110.25 95.846,110.25 107.78,98.316 107.78,88.62 107.94,88.46 107.94,86.44 v1(107.5,86)
ADC_D13_N: D4.N29 D13.31 | length 55.3
  Top Layer w0.125: D13.31@73.75,104.45 73.75,104.97 73.65,105.07 73.65,106.55 77.3,110.2 96.006,110.2 108.8,97.406 108.8,88.05 108.5,87.75 108.5,87 D4.N29@108,86.5
ADC_D13_P: D4.P28 D13.32 | length 57.4
  Top Layer w0.125: D13.32@73.25,104.45 73.25,104.97 73.375,105.095 73.375,106.664 77.186,110.475 96.275,110.475 109.1,97.65 109.1,88.1 109.438,87.762 109.438,86.319 109,85.881 D4.P28@109,85.5
ADC_DCO_N: D4.E28 D13.10 | length 30.7
  Top Layer w0.125: D13.10@81.45,100.75 82.15,100.75 v2(82.3,100.6) ; D4.E28@100,85.5 v1(100.5,86)
  int_1 w0.13: v2(82.3,100.6) 82.635,100.935 92.765,100.935 100.9,92.8 100.9,86.4 v1(100.5,86)
ADC_DCO_P: D4.F28 D13.11 | length 31.1
  Top Layer w0.125: D13.11@81.45,101.25 82.15,101.25 v2(82.3,101.4) ; D4.F28@101,85.5 v1(101.5,86)
  int_1 w0.13: v2(82.3,101.4) 82.502,101.198 82.519,101.215 92.881,101.215 101.18,92.916 101.18,86.32 v1(101.5,86)
ADC_SCLK: D4.K28 D13.48 | length 42.6
  Top Layer w0.15: D4.K28@105,85.5 v1(105.5,86)
  Top Layer w0.2: v2(71.8,95.6) 71.8,96 72.05,96.25 D13.48@72.55,96.25
  int_2 w0.2: v2(71.8,95.6) 74.65,92.75 103.15,92.75 106,89.9 106,86.5 v1(105.5,86)
ADC_SDIO: D4.L28 D13.47 | length 45
  Top Layer w0.15: D4.L28@106,85.5 v1(106.5,86)
  Top Layer w0.2: v2(71.1,95.6) 71.1,96.2 71.65,96.75 D13.47@72.55,96.75
  int_2 w0.2: v2(71.1,95.6) 74.45,92.25 102.35,92.25 105,89.6 105,85.828 105.328,85.5 106,85.5 v1(106.5,86)
ADC_SYNC: D4.M27 D13.52 | length 43.1
  Top Layer w0.15: D4.M27@107,84.5 v1(107.5,84)
  Top Layer w0.2: D13.52@74.75,95.55 74.75,95 75.75,94 v2(76,94)
  int_2 w0.2: v2(76,94) 76.25,93.75 104.85,93.75 108,90.6 108,84.5 v1(107.5,84)